# Altium PCB MJVESC_MINI.PcbDoc (part 1 of 3) (continued)
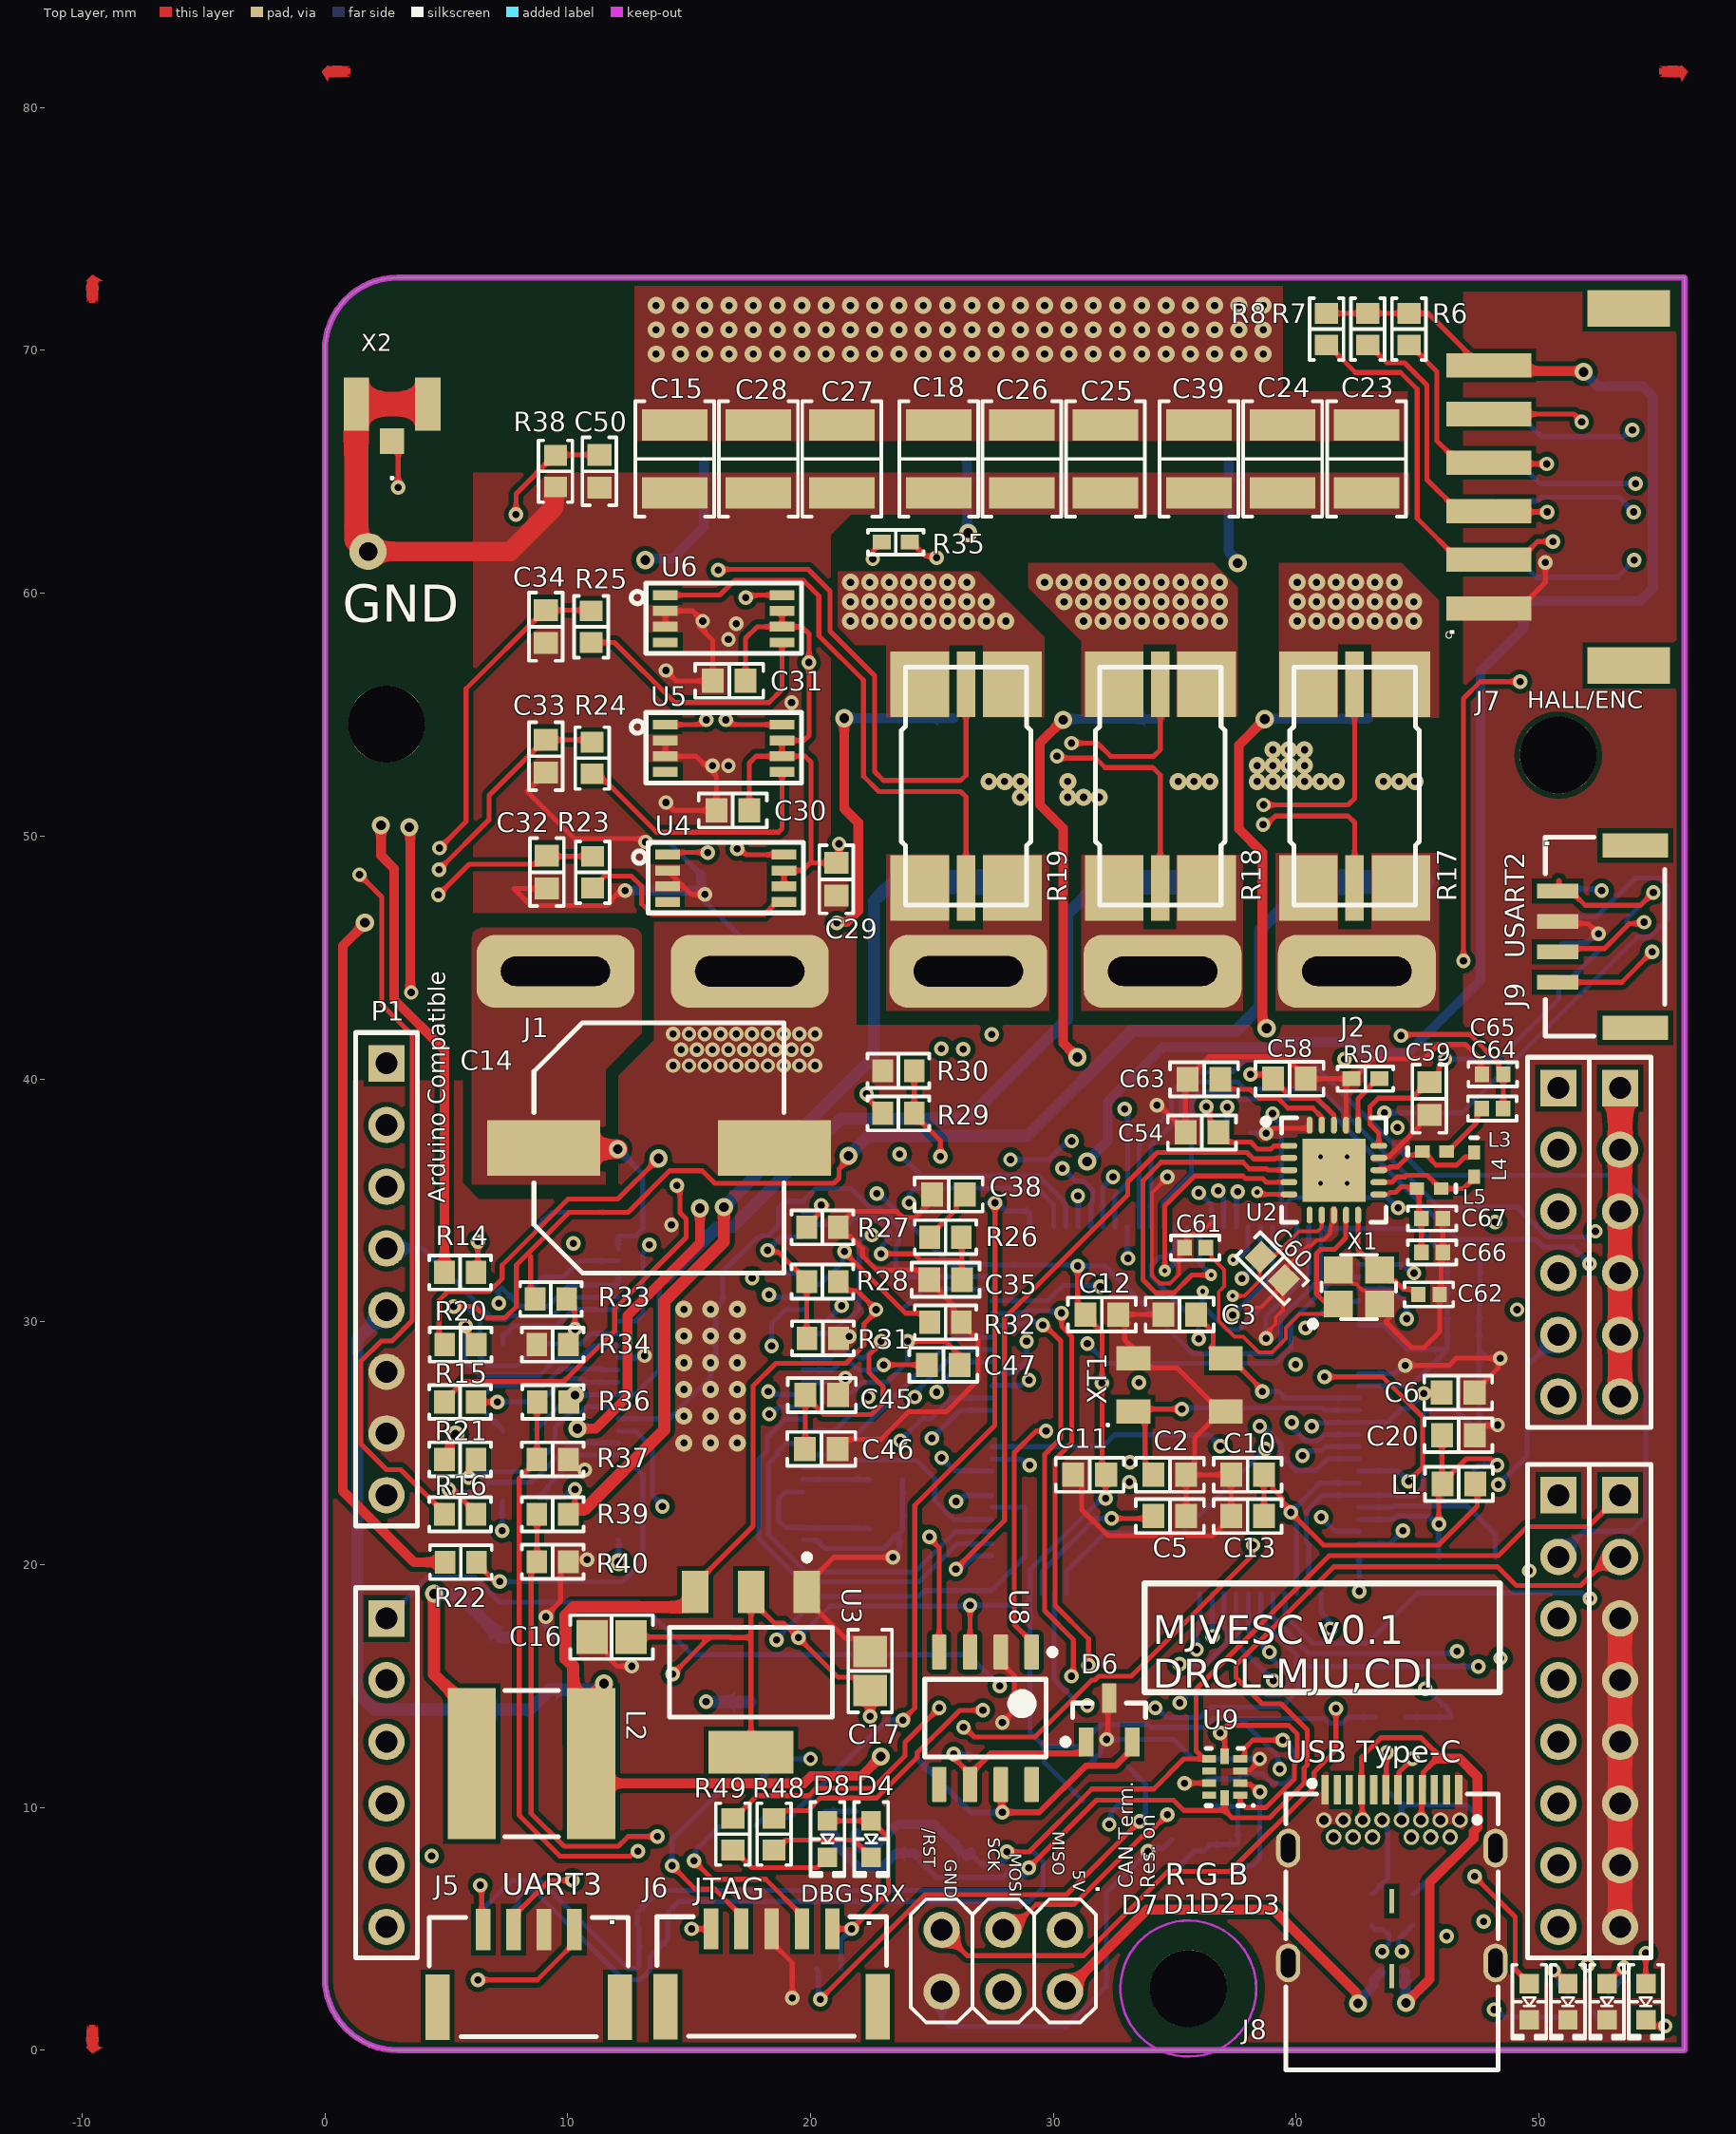
[diagram p0: Top Layer view]
## Footprints (in the part's own frame and the unit in brackets; to place one, negate y for a bottom-side part, rotate by r counter-clockwise, add the part's x,y. Pads: shape width x height; smd on the part's side, far side on the other; paste and mask are expansions set on the pad) (continued)
  rect 1.1x0.85 smd: 7(-0.85,1.725) 8(-0.85,0.575) 9(-0.85,-0.575) 10(-0.85,-1.725) 11(1.95,-1.725) 12(1.95,-0.575) 13(1.95,0.575) 14(1.95,1.725)
  rect 0.7x1.3 smd: 15(-2.25,0)
  silkscreen extent -3.95,-3.49 3.95,3.49, body extent -4.55,-3.5 4.55,3.5, height 0.7
TSSOP50P810X120_HS-57N [mm]
  oval 1.4x0.3 smd: 1(-3.8,6.75) 2(-3.8,6.25) 3(-3.8,5.75) 4(-3.8,5.25) 5(-3.8,4.75) 6(-3.8,4.25) 7(-3.8,3.75) 8(-3.8,3.25) 9(-3.8,2.75) 10(-3.8,2.25) 11(-3.8,1.75) 12(-3.8,1.25) 13(-3.8,0.75) 14(-3.8,0.25) 15(-3.8,-0.25) 16(-3.8,-0.75) 17(-3.8,-1.25) 18(-3.8,-1.75) 19(-3.8,-2.25) 20(-3.8,-2.75) 21(-3.8,-3.25) 22(-3.8,-3.75) 23(-3.8,-4.25) 24(-3.8,-4.75) 25(-3.8,-5.25) 26(-3.8,-5.75) 27(-3.8,-6.25) 28(-3.8,-6.75) 29(3.8,-6.75) 30(3.8,-6.25) 31(3.8,-5.75) 32(3.8,-5.25) 33(3.8,-4.75) 34(3.8,-4.25) 35(3.8,-3.75) 36(3.8,-3.25) 37(3.8,-2.75) 38(3.8,-2.25) 39(3.8,-1.75) 40(3.8,-1.25) 41(3.8,-0.75) 42(3.8,-0.25) 43(3.8,0.25) 44(3.8,0.75) 45(3.8,1.25) 46(3.8,1.75) 47(3.8,2.25) 48(3.8,2.75) 49(3.8,3.25) 50(3.8,3.75) 51(3.8,4.25) 52(3.8,4.75) 53(3.8,5.25) 54(3.8,5.75) 55(3.8,6.25) 56(3.8,6.75)
  rect 3.61x6.35 smd: 57(0,0)
  silkscreen extent -3.93,-7.05 2.7,7.57, body extent -3.1,-7.05 3.1,7.05, height 1.2
uFL_SMT [mm]
  rect 1x1.05 smd: 1(0,-1.525)
  rect 1.05x2.2 smd: 2(-1.475,0) 2(1.475,0)
  silkscreen extent -0.05,-3.1 0.05,-3

## Part data
C1 C6 C7 C8 C9 C10 C11 C12 C13 C20 C22 C40: library part GRM188R71E104KA01D, "CAP CER 0.1UF 25V X7R 0603", Capacitance=0.10レF, Manufacturer="Murata Electronics North America", Operating Temperature="-55∑C ~ 125∑C", Package / Case="0603 (1608 Metric)", Ratings=-, Supplier Part Number 1=490-1524-1-ND, Temperature Coefficient=X7R, Tolerance=【10%, Voltage - Rated=25V, Applications="General Purpose", Category=Capacitors, ComponentLink1Description=http://www.murata.com/~/media/webrenewal/support/library/catalog/products/capacitor/mlcc/c02e.pdf, ComponentLink1URL=http://www.murata.com/~/media/webrenewal/support/library/catalog/products/capacitor/mlcc/c02e.pdf, Features=-, Height - Seated (Max)=-, Lead Spacing=-, Lead Style=-, Manufacturer Part Number=GRM188R71E104KA01D, Mounting Type="Surface Mount, MLCC", Packaging="Cut Tape (CT)", Partnumber=GRM188R71E104KA01D, Pricing 1="1=0.1, 10=0.019, 50=0.0104, 100=0.0088, 250=0.0072, 500=0.00616, 1000=0.0048 (USD)", RoHS="RoHS Compliant", Size / Dimension="0.063\" L x 0.031\" W (1.60mm x 0.80mm)", Stock 1=1667481, Supplier 1=Digi-Key, Thickness (Max)="0.035\" (0.90mm)"
C2 C3: library part GRM1885C1H100JA01D, "CAP CER 10PF 50V NP0 0603", Manufacturer="Murata Electronics North America", Operating Temperature="-55∑C ~ 125∑C", Package / Case="0603 (1608 Metric)", Ratings=-, Supplier Part Number 1=490-1403-1-ND, Temperature Coefficient="C0G, NP0", Tolerance=【5%, Voltage - Rated=50V, Applications="General Purpose", Capacitance=10pF, Category=Capacitors, ComponentLink1Description=http://www.murata.com/~/media/webrenewal/support/library/catalog/products/capacitor/mlcc/c02e.pdf, ComponentLink1URL=http://www.murata.com/~/media/webrenewal/support/library/catalog/products/capacitor/mlcc/c02e.pdf, Features=-, Height - Seated (Max)=-, Lead Spacing=-, Lead Style=-, Manufacturer Part Number=GRM1885C1H100JA01D, Mounting Type="Surface Mount, MLCC", Packaging="Cut Tape (CT)", Partnumber=GRM1885C1H100JA01D, Pricing 1="1=0.1, 10=0.041, 50=0.0222, 100=0.0187, 250=0.01532, 500=0.0131, 1000=0.0102 (USD)", RoHS="RoHS Compliant", Size / Dimension="0.063\" L x 0.031\" W (1.60mm x 0.80mm)", Stock 1=450321, Supplier 1=Digi-Key, Thickness (Max)="0.035\" (0.90mm)"
C4 C5 C29 C30 C31 C42 C45 C46 C49 C50 C51 C56: library part GRM188R61C225KE15D, "CAP CER 2.2UF 16V X5R 0603", Capacitance=2.2レF, Manufacturer="Murata Electronics North America", Operating Temperature="-55∑C ~ 85∑C", Package / Case="0603 (1608 Metric)", Ratings=-, Supplier Part Number 1=490-3296-1-ND, Temperature Coefficient=X5R, Tolerance=【10%, Voltage - Rated=16V, Applications="General Purpose", Category=Capacitors, ComponentLink1Description=http://www.murata.com/~/media/webrenewal/support/library/catalog/products/capacitor/mlcc/c02e.pdf, ComponentLink1URL=http://www.murata.com/~/media/webrenewal/support/library/catalog/products/capacitor/mlcc/c02e.pdf, Features=-, Height - Seated (Max)=-, Lead Spacing=-, Lead Style=-, Manufacturer Part Number=GRM188R61C225KE15D, Mounting Type="Surface Mount, MLCC", Packaging="Cut Tape (CT)", Partnumber=GRM188R61C225KE15D, Pricing 1="1=0.12, 10=0.08, 50=0.046, 100=0.038, 250=0.032, 500=0.0268, 1000=0.022 (USD)", RoHS="RoHS Compliant", Size / Dimension="0.063\" L x 0.031\" W (1.60mm x 0.80mm)", Stock 1=1255740, Supplier 1=Digi-Key, Thickness (Max)="0.035\" (0.90mm)"
C14: library part EEE1CA471P, "CAP, ALU ELEC, 100UF, 63V, SMD", Partnumber=EEE-FK1J101P
C15 C18 C23 C24 C25 C26 C27 C28 C37 C39 C52: library part GRM219R6YA475KA73D, "CAP CER 4.7UF 100V", Partnumber=GRJ32DC72A475KE11L
C16 C17: library part GRM219R6YA475KA73D, "CAP CER 4.7UF 35V X5R 0805", Partnumber=GRM219R6YA475KA73D
C19 C21: library part CMP-1661-00003-1, "Standard Tantalum, 1 uF, +/- 10%, 35 V, -55 to 125 degC, 2-Pin SMD (1206), RoHS, Tape and Reel", Current Rating="200 mA", Max Operating Temperature="70 degC", Min Operating Temperature="-20 degC", Package Quantity=1000, Partnumber=TAJA105K016RNJ, Voltage Rating (DC)="30 V", ComponentLink1Description="Manufacturer URL", ComponentLink1URL=http://www.avx.com/, ComponentLink2Description=Datasheet, ComponentLink2URL=http://datasheets.avx.com/TAJ.pdf, ComponentLink3Description="Package Specification", ComponentLink3URL=http://www.avx.com/download/software/literature/AVX-Footprint-Library.pdf, Contact Finish=Silver, Contact Material=Copper, Contact Plating=Silver, DatasheetVersion=Feb-16, Height="7.4 mm", Length="11.6 mm", Mount="Through Hole", PackageDescription="2-Pin Surface Mount Device, Body 3.2 x 1.65 mm", PackageReference=CAPMP3217X18-T, Packaging=Bulk, Pins=3, REACH SVHC="No SVHC", RoHSCompliant=true, Width="4 mm"
C32 C33 C34 C55: library part GRM1885C1H222JA01D, "CAP CER 4.7nF 50V NP0 0603", Partnumber=GRM1887U1H472JA01D
C35: library part GRM1885C2A820JA01D, "CAP CER 120PF 100V NP0 0603", Partnumber=GRM1885C2A121JA01D
C36: library part GRM1885C1H271JA01D, "CAP CER 15nF 50V NP0 0603", Partnumber=GRM0335C1H150GA01D
C38: library part GRM1885C1H271JA01D, "CAP CER 6.8nF 50V NP0 0603", Partnumber=GRM1885C1H682JA01D
C41: library part CMP-2100-03691-1, "Standard Tantalum, 100 uF, +/- 10%, 16 V, -55 to 125 degC, 2-Pin SMD (2312), RoHS, Tape and Reel", Capacitance=100uF, Case/Package=Molded, Case Code (Imperial)=2412, Case Code (Metric)=6032, ESR (Equivalent Series Resistance)=1Ohm, Leakage Current=16uA, Manufacturer=AVX, Max Operating Temperature=125degC, Min Operating Temperature=-55degC, Package Description="2-Pin Surface Mount Device, Body 6 x 3.25 mm", Package Quantity=1, Package Reference=TAJ-C-2, Tolerance=10%, Voltage Rating=16V, Datasheet URL=http://datasheets.avx.com/TAJ.pdf, Datasheet Version=42401.0, Depth=3.2mm, Dissipation Factor=8%, Height=2.8mm, Height - Seated (Max)=0.11inch, Lead Free=LeadFree, Length=6mm, Manufacturer URL=http://www.avx.com/, Number of Pins=2, Packaging=TapeandReel, Partnumber=TAJC107K016RNJ, Polarity=Polar, Radiation Hardening=No, REACH SVHC=NoSVHC, Resistance=1Ohm, RoHSCompliant=True, Termination=SMD/SMT, Voltage Rating (DC)=16V, Width=3.2mm
C43 C44 C48: library part GRM188R71E104KA01D, "CAP CER 220nF 50V X7R 0603", Partnumber=GRM188R71H224KAC4J
C47: library part GRM188R71E223KA01D, "CAP CER 0.022UF 25V X7R 0603", Capacitance=0.022レF, Manufacturer="Murata Electronics North America", Operating Temperature="-55∑C ~ 125∑C", Package / Case="0603 (1608 Metric)", Ratings=-, Supplier Part Number 1=490-9761-1-ND, Temperature Coefficient=X7R, Tolerance=【10%, Voltage - Rated=25V, Applications="General Purpose", Category=Capacitors, ComponentLink1Description=http://www.murata.com/~/media/webrenewal/support/library/catalog/products/capacitor/mlcc/c02e.pdf, ComponentLink1URL=http://www.murata.com/~/media/webrenewal/support/library/catalog/products/capacitor/mlcc/c02e.pdf, Features=-, Height - Seated (Max)=-, Lead Spacing=-, Lead Style=-, Manufacturer Part Number=GRM188R71E223KA01D, Mounting Type="Surface Mount, MLCC", Packaging="Cut Tape (CT)", Partnumber=GRM188R71E223KA01D, Pricing 1="1=0.1, 10=0.061, 50=0.0332, 100=0.0281, 250=0.02296, 500=0.01964, 1000=0.0153 (USD)", RoHS="RoHS Compliant", Size / Dimension="0.063\" L x 0.031\" W (1.60mm x 0.80mm)", Stock 1=26666, Supplier 1=Digi-Key, Thickness (Max)="0.035\" (0.90mm)"
C53 C57: library part GRM1885C1H222JA01D, "CAP CER 100pF 50V NP0 0402", Partnumber=GRM1555C1H101GA01D
C54 C58 C59 C60 C63: library part GRM188R71E104KA01D, "CAP CER 0.1UF 25V X7R 0603", Partnumber=GRM188R71E104KA01D
C61 C62: library part CAP, "CAP CER 15PF 50V NP0 0402", Partnumber=GRM1555C1H150GA01D
C64: library part CAP, "CAP CER 1.5pF 50V NP0 0402", Partnumber=GRM1555C1H1R5CA01D
C65: library part CAP, "CAP CER 1.0pF 50V NP0 0402", Partnumber=GRM1555C1H1R0CA01D
C66: library part CAP, "CAP CER 2.2nF 50V NP0 0402", Partnumber=GRM155R71H222KA01D
C67: library part CAP, "CAP CER 4.7pF 50V NP0 0402", Partnumber=GRM1555C1H4R7CA01D
D1 D7: library part LED0, "Typical INFRARED GaAs LED", Partnumber=LTST-C191KRKT, LatestRevisionDate=08-Jul-2005, LatestRevisionNote="Mech Layer 1 removed.", PackageDescription="LED; 2 Leads", PackageReference=LED-0, Published=8-Jun-2000, Publisher="Altium Limited"
D2 D8: library part LED0, "Typical INFRARED GaAs LED", Partnumber=LTST-C191KGKT, LatestRevisionDate=08-Jul-2005, LatestRevisionNote="Mech Layer 1 removed.", PackageDescription="LED; 2 Leads", PackageReference=LED-0, Published=8-Jun-2000, Publisher="Altium Limited"
D3 D4: library part LED0, "Typical INFRARED GaAs LED", Partnumber=LTST-C191TBKT, LatestRevisionDate=08-Jul-2005, LatestRevisionNote="Mech Layer 1 removed.", PackageDescription="LED; 2 Leads", PackageReference=LED-0, Published=8-Jun-2000, Publisher="Altium Limited"
D5: library part MBR140SFT1G, "Rectifier Diode, Single, 40 V, 1 A, SOD-123FL, 2, 550 mV", Partnumber=MBR140SFT1G
D6: library part ESD8V0L2B-03L, "Bi-directional Low Capacitance TVS Diode, -55 to 125 degC, TSLP-3-1, Reel, Green", Partnumber=VCAN26A2-03S-E3-08
GND: "SMD test pin"
J1: library part "ANDERSON PP15/45 POWER 2 Pin Parallel_MIRROR", "Header, 2-Pin, ANDERSON PP15/45 POWER Parallel", LatestRevisionDate=17-Jul-2002, LatestRevisionNote="Re-released for DXP Platform.", Publisher="Altium Limited"
J2: library part "3 Pin", "Anderson PP15/45", Partnumber="1336G1, 1336G1, 1336G1, 1327G16 (Yellow), 1327G8 (Blue), 1327G5 (Green)"
J3 J4: library part MHDR1X2, "JST GH Connector, 2Pin", Partnumber=SM02B-GHS-TB(LF)(SN), LatestRevisionDate=17-Jul-2002, LatestRevisionNote="Re-released for DXP Platform.", Publisher="Altium Limited"
J5 J9 J10: library part MHDR1X4, "JST GH Connector, 4Pin", Partnumber=SM04B-GHS-TB(LF)(SN), LatestRevisionDate=17-Jul-2002, LatestRevisionNote="Re-released for DXP Platform.", Publisher="Altium Limited"
J6: library part "JST GH 5pin", "JST GH Connector, 5Pin", Partnumber=SM05B-GHS-TB(LF)(SN), LatestRevisionDate=17-Jul-2002, LatestRevisionNote="Re-released for DXP Platform.", Publisher="Altium Limited"
J7 J11: library part S6B-PH-SM4-TB, "JST PH Connector, 6Pin", Package=None, Availability=Unavailable, MF=JST, MP=S6B-PH-SM4-TB, Partnumber=S6B-PH-SM4-TB, Price="0.35 USD"
J8: library part 632723300011, "USB 3.1 Type C Receptacle Horizontal THR WR-COM", ComponentLink1Description=Manufacturer, ComponentLink1URL=http://www.we-online.de, ComponentLink2Description=Datasheet, ComponentLink2URL=http://katalog.we-online.de/em/datasheet/632723x00011.pdf, Construction=THR, Gender=Receptacle, Interface Type="Type C", Partnumber=632723300011, Published Date="April 2017", Publisher="Wurth Elektronik", Sub-Family="USB 3.1", Type=Horizontal
L1: library part Inductor, "Ferrite Beads 600MHz 0.015Ohm 25% 1608 AEC-Q200", Partnumber=KPZ1608SHR601ATD25, Code_IEC=1005, Code_JEITA=0402, LatestRevisionDate=29-May-2009, LatestRevisionNote="IPC-7351 Footprint Added.", PackageDescription="Chip Inductor", PackageReference=0402-A, Published=8-Jun-2000, Publisher="Altium Limited"
L2: library part NR6028T220M, "INDUCTOR 22UH 1.4A 175.5 MOHM", Partnumber=NR6028T220M
L3: library part Inductor, "Fixed Inductors 0402 3.9nH 0.2nH 750mA .14ohms 6.0GHz", Partnumber=LQG15HS3N9C02D
L4: library part Inductor, "Fixed Inductors 0402 8.2nH 0.24ohms 550mA +/-5%", Partnumber=LQG15HZ8N2J02D
L5: library part Inductor, "Fixed Inductors 0402 2.7nH 0.12ohms 800mA +/-0.3nH", Partnumber=LQG15HZ2N7S02D
P1: "Arduino Type Extension Connector / ICSP Added Samtec 3fixhole for v0.3"
Q1 Q2 Q3 Q4 Q5 Q6: library part NTMFS4935NT1G, "MOSFET N-CH 60V 375A  DirectFET-L8", PackageDescription=DirectFet-L8, Partnumber=AUIRF7749L2TR
R1 R2: library part Res3, "RES SMD 220R OHM 1% 1/10W 0603", Partnumber=RC0603FR-10220RL, LatestRevisionDate=29-May-2009, LatestRevisionNote="IPC-7351 Footprint Added.", PackageDescription="Chip Resistor", PackageReference=J1-0603, Published=8-Jun-2000, Publisher="Altium Limited"
R3 R32 R38: library part RC0603FR-0710KL, "RES SMD 10K OHM 1% 1/10W 0603", Manufacturer=Yageo, Operating Temperature="-55∑C ~ 155∑C", Package / Case="0603 (1608 Metric)", Power (Watts)="0.1W, 1/10W", Resistance (Ohms)=10k, Supplier Device Package=0603, Supplier Part Number 1=311-10.0KHRCT-ND, Temperature Coefficient=【100ppm/∑C, Tolerance=【1%, Category=Resistors, ComponentLink1Description=http://www.yageo.com/documents/recent/PYu-RC_Group_51_RoHS_L_04.pdf, ComponentLink1URL=http://www.yageo.com/documents/recent/PYu-RC_Group_51_RoHS_L_04.pdf, Composition="Thick Film", Features="Moisture Resistant", Height="0.022\" (0.55mm)", Manufacturer Part Number=RC0603FR-0710KL, Number of Terminations=2, Packaging="Cut Tape (CT)", Partnumber=RC0603FR-0710KL, Pricing 1="1=0.1, 10=0.014, 25=0.01, 100=0.0057, 250=0.00436, 500=0.00348, 1000=0.00257, 2500=0.00223 (USD)", RoHS="RoHS Compliant", Size / Dimension="0.063\" L x 0.031\" W (1.60mm x 0.80mm)", Stock 1=13504930, Supplier 1=Digi-Key
R4 R5 R10 R11: library part RC0603FR-0722RL, "RES SMD 22 OHM 1% 1/10W 0603", Manufacturer=Yageo, Operating Temperature="-55∑C ~ 155∑C", Package / Case="0603 (1608 Metric)", Power (Watts)="0.1W, 1/10W", Resistance (Ohms)=22, Supplier Device Package=0603, Supplier Part Number 1=311-22.0HRCT-ND, Temperature Coefficient=【100ppm/∑C, Tolerance=【1%, Category=Resistors, ComponentLink1Description=http://www.yageo.com/documents/recent/PYu-RC_Group_51_RoHS_L_04.pdf, ComponentLink1URL=http://www.yageo.com/documents/recent/PYu-RC_Group_51_RoHS_L_04.pdf, Composition="Thick Film", Features="Moisture Resistant", Height="0.022\" (0.55mm)", Manufacturer Part Number=RC0603FR-0722RL, Number of Terminations=2, Packaging="Cut Tape (CT)", Partnumber=RC0603FR-0722RL, Pricing 1="1=0.1, 10=0.014, 25=0.01, 100=0.0057, 250=0.00436, 500=0.00348, 1000=0.00257, 2500=0.00223 (USD)", RoHS="RoHS Compliant", Size / Dimension="0.063\" L x 0.031\" W (1.60mm x 0.80mm)", Stock 1=575303, Supplier 1=Digi-Key
R6 R7 R8 R30 R34 R37 R40: library part Res3, "RES SMD 2.2K OHM 1% 1/10W 0603", Partnumber=RC0603FR-072K2L, LatestRevisionDate=29-May-2009, LatestRevisionNote="IPC-7351 Footprint Added.", PackageDescription="Chip Resistor", PackageReference=J1-0603, Published=8-Jun-2000, Publisher="Altium Limited"
R9: library part RC0603FR-0747KL, "RES SMD 47K OHM 1% 1/10W 0603", Manufacturer=Yageo, Operating Temperature="-55∑C ~ 155∑C", Package / Case="0603 (1608 Metric)", Power (Watts)="0.1W, 1/10W", Resistance (Ohms)=47k, Supplier Device Package=0603, Supplier Part Number 1=311-47.0KHRCT-ND, Temperature Coefficient=【100ppm/∑C, Tolerance=【1%, Category=Resistors, ComponentLink1Description=http://www.yageo.com/documents/recent/PYu-RC_Group_51_RoHS_L_04.pdf, ComponentLink1URL=http://www.yageo.com/documents/recent/PYu-RC_Group_51_RoHS_L_04.pdf, Composition="Thick Film", Features="Moisture Resistant", Height="0.022\" (0.55mm)", Manufacturer Part Number=RC0603FR-0747KL, Number of Terminations=2, Packaging="Cut Tape (CT)", Partnumber=RC0603FR-0747KL, Pricing 1="1=0.1, 10=0.014, 25=0.01, 100=0.0057, 250=0.00436, 500=0.00348, 1000=0.00257, 2500=0.00223 (USD)", RoHS="RoHS Compliant", Size / Dimension="0.063\" L x 0.031\" W (1.60mm x 0.80mm)", Stock 1=930868, Supplier 1=Digi-Key
R12 R43 R48 R49: library part RC0603FR-071KL, "RES SMD 1K OHM 1% 1/10W 0603", Manufacturer=Yageo, Operating Temperature="-55∑C ~ 155∑C", Package / Case="0603 (1608 Metric)", Power (Watts)="0.1W, 1/10W", Supplier Device Package=0603, Supplier Part Number 1=311-1.00KHRCT-ND, Temperature Coefficient=【100ppm/∑C, Tolerance=【1%, Category=Resistors, ComponentLink1Description=http://www.yageo.com/documents/recent/PYu-RC_Group_51_RoHS_L_04.pdf, ComponentLink1URL=http://www.yageo.com/documents/recent/PYu-RC_Group_51_RoHS_L_04.pdf, Composition="Thick Film", Features="Moisture Resistant", Height="0.022\" (0.55mm)", Manufacturer Part Number=RC0603FR-071KL, Number of Terminations=2, Packaging="Cut Tape (CT)", Partnumber=RC0603FR-071KL, Pricing 1="1=0.1, 10=0.014, 25=0.01, 100=0.0057, 250=0.00436, 500=0.00348, 1000=0.00257, 2500=0.00223 (USD)", Resistance (Ohms)=1k, RoHS="RoHS Compliant", Size / Dimension="0.063\" L x 0.031\" W (1.60mm x 0.80mm)", Stock 1=6734836, Supplier 1=Digi-Key
R13: library part Res3, "RES SMD 47R OHM 1% 1/10W 0603", Partnumber=RC0603JR-0747RL, LatestRevisionDate=29-May-2009, LatestRevisionNote="IPC-7351 Footprint Added.", PackageDescription="Chip Resistor", PackageReference=J1-0603, Published=8-Jun-2000, Publisher="Altium Limited"
R14 R15 R16 R20 R21 R22: library part RC0603FR-072R2L, "RES SMD 4.7R OHM 1% 1/10W 0603", Partnumber=RC0603FR-074R7L
R17 R18 R19: library part LRMAP3920B, "Shunt Resistor", Partnumber=LRMAP3920B-R0005FT
R23 R24 R25: library part RC0603FR-07120RL, "RES SMD 100R OHM 1% 1/10W 0603", Partnumber=RC0603JR-07100RL
R26: library part Res3, "RES SMD 15K OHM 1% 1/10W 0603", Partnumber=RC0603FR-0715KL, LatestRevisionDate=29-May-2009, LatestRevisionNote="IPC-7351 Footprint Added.", PackageDescription="Chip Resistor", PackageReference=J1-0603, Published=8-Jun-2000, Publisher="Altium Limited"
R27: library part RC0603FR-07220KL, "RES SMD 220K OHM 1% 1/10W 0603", Manufacturer=Yageo, Operating Temperature="-55∑C ~ 155∑C", Package / Case="0603 (1608 Metric)", Power (Watts)="0.1W, 1/10W", Supplier Device Package=0603, Supplier Part Number 1=311-220KHRCT-ND, Temperature Coefficient=【100ppm/∑C, Tolerance=【1%, Category=Resistors, ComponentLink1Description=http://www.yageo.com/documents/recent/PYu-RC_Group_51_RoHS_L_04.pdf, ComponentLink1URL=http://www.yageo.com/documents/recent/PYu-RC_Group_51_RoHS_L_04.pdf, Composition="Thick Film", Features="Moisture Resistant", Height="0.022\" (0.55mm)", Manufacturer Part Number=RC0603FR-07220KL, Number of Terminations=2, Packaging="Cut Tape (CT)", Partnumber=RC0603FR-07220KL, Pricing 1="1=0.1, 10=0.014, 25=0.01, 100=0.0057, 250=0.00436, 500=0.00348, 1000=0.00257, 2500=0.00223 (USD)", Resistance (Ohms)=220k, RoHS="RoHS Compliant", Size / Dimension="0.063\" L x 0.031\" W (1.60mm x 0.80mm)", Stock 1=204390, Supplier 1=Digi-Key
R28: library part RC0603FR-0718KL, "RES SMD 18K OHM 1% 1/10W 0603", Manufacturer=Yageo, Operating Temperature="-55∑C ~ 155∑C", Package / Case="0603 (1608 Metric)", Power (Watts)="0.1W, 1/10W", Supplier Device Package=0603, Supplier Part Number 1=311-18.0KHRCT-ND, Temperature Coefficient=【100ppm/∑C, Tolerance=【1%, Category=Resistors, ComponentLink1Description=http://www.yageo.com/documents/recent/PYu-RC_Group_51_RoHS_L_04.pdf, ComponentLink1URL=http://www.yageo.com/documents/recent/PYu-RC_Group_51_RoHS_L_04.pdf, Composition="Thick Film", Features="Moisture Resistant", Height="0.022\" (0.55mm)", Manufacturer Part Number=RC0603FR-0718KL, Number of Terminations=2, Packaging="Cut Tape (CT)", Partnumber=RC0603FR-0718KL, Pricing 1="1=0.1, 10=0.014, 25=0.01, 100=0.0057, 250=0.00436, 500=0.00348, 1000=0.00257, 2500=0.00223 (USD)", Resistance (Ohms)=18k, RoHS="RoHS Compliant", Size / Dimension="0.063\" L x 0.031\" W (1.60mm x 0.80mm)", Stock 1=0, Supplier 1=Digi-Key
R29 R33 R36 R39: library part Res3, "RES SMD 39K OHM 1% 1/10W 0603", Partnumber=RC0603FR-0739KL, LatestRevisionDate=29-May-2009, LatestRevisionNote="IPC-7351 Footprint Added.", PackageDescription="Chip Resistor", PackageReference=J1-0603, Published=8-Jun-2000, Publisher="Altium Limited"
R31: library part RC0603FR-073K3L, "RES SMD 3.3K OHM 1% 1/10W 0603", Manufacturer=Yageo, Operating Temperature="-55∑C ~ 155∑C", Package / Case="0603 (1608 Metric)", Power (Watts)="0.1W, 1/10W", Supplier Device Package=0603, Supplier Part Number 1=311-3.30KHRCT-ND, Temperature Coefficient=【100ppm/∑C, Tolerance=【1%, Category=Resistors, ComponentLink1Description=http://www.yageo.com/documents/recent/PYu-RC_Group_51_RoHS_L_04.pdf, ComponentLink1URL=http://www.yageo.com/documents/recent/PYu-RC_Group_51_RoHS_L_04.pdf, Composition="Thick Film", Features="Moisture Resistant", Height="0.022\" (0.55mm)", Manufacturer Part Number=RC0603FR-073K3L, Number of Terminations=2, Packaging="Cut Tape (CT)", Partnumber=RC0603FR-073K3L, Pricing 1="1=0.1, 10=0.014, 25=0.01, 100=0.0057, 250=0.00436, 500=0.00348, 1000=0.00257, 2500=0.00223 (USD)", Resistance (Ohms)=3.3k, RoHS="RoHS Compliant", Size / Dimension="0.063\" L x 0.031\" W (1.60mm x 0.80mm)", Stock 1=420019, Supplier 1=Digi-Key
R35: library part NCP15XH103F03RC, "THERMISTOR 10K OHM NTC 0402 SMD", Partnumber=NCP15XH103F03RC
R41 R42 R44 R45: library part Res3, "RES SMD 120R OHM 1% 1/10W 0603", Partnumber=RC0603FR-07120RL, LatestRevisionDate=29-May-2009, LatestRevisionNote="IPC-7351 Footprint Added.", PackageDescription="Chip Resistor", PackageReference=J1-0603, Published=8-Jun-2000, Publisher="Altium Limited"
R50: library part RES2, "RES SMD 22K OHM 1% 1/10W 0402", Partnumber=RC0402FR-0722KL
S2 S3: library part SW-SPDT, "SPDT Subminiature Toggle Switch, Right Angle Mounting, Vertical Actuation", ComponentLink1Description="Manufacturer Link", ComponentLink1URL=http://www.apem.com, DatasheetVersion=05-Dec-2000, LatestRevisionDate=17-Dec-2003, LatestRevisionNote="Schematic revised, PCB Footprint replaced.", PackageDescription="Switch; 4 Leads", PackageReference=TL36WW15050, Partnumber=SSAJ120100, Published=24-Mar-1999, Publisher="Altium Limited"
T1: library part "MID-D11, 070-5627", "Dual Coil - Common Mode Choke, 4-Terminal, THT, MID-D11, Bobbin-070-5627", Partnumber=SRF4532-101Y
U1: "ARM Cortex-M4 32-bit MCU+FPU, 210 DMIPS, 1024 kB Flash, 192 kB Internal RAM, 82 I/Os, 100-pin LQFP, -40 to 85 degC, Tray", I/Os (High Current)=82, Manufacturer=STMicroelectronics, Operating Frequency(F) (Processor speed) (MHz)=168, Supplier Part Number 1=497-11605-ND, Supply Voltage(Vcc) max (V)=3.6, Supply Voltage(Vcc) min (V)=1.8, ComponentLink1Description="Manufacturer URL", ComponentLink1URL=http://www.st.com/web/en/home.html, ComponentLink2Description=Datasheet, ComponentLink2URL=http://www.st.com/st-web-ui/static/active/en/resource/technical/document/datasheet/DM00037051.pdf, ComponentLink3Description="Package Specification", ComponentLink3URL=http://www.st.com/st-web-ui/static/active/en/resource/technical/document/data_brief/DM00071938.pdf, Core="ARM Cortex-M4", D/A Converter=2x12-bit, DatasheetVersion="Rev. 4", FLASH Size (Prog) (kB)=1024, Internal RAM Size (kB)=192, Mounting Technology="Surface Mount", PackageDescription="100-Pin Low Profile Quad Flat Package, 14 x 14 mm Body, 0.5 mm Pitch", PackageReference=LQFP100, PackageVersion="Rev. 1, 06/2013", Packing=Tray, Partnumber=STM32F407VGT6, Supplier 1=Digi-Key, Supplier 2=Farnell, Supplier 3=Newark, Supplier 4=Mouser, Supplier Part Number 2=2064368, Supplier Part Number 3=73T2333, Supplier Part Number 4=511-STM32F407VGT6
U2: library part CMP-2000-06859-1, "Single Chip Transceiver, 2.4 GHz, 60 mW, 1.9 to 3.6 V, -40 to 85 degC, 20-Pin QFN, RoHS, Tray", Current - Receiving=12.6mA~13.5mA, Current - Transmitting=7mA~11.3mA, Frequency=2.4GHz, Manufacturer="Nordic Semiconductor", Operating Temperature=-40∑C~85∑C, Package / Case=20-VFQFNExposedPad, Package Description="20-Pin Quad Flat No-lead Package, Body 4 x 4 mm, Pitch 0.5 mm", Package Reference=QFN20, Power - Output=0dBm, Standard Package=490, Voltage - Supply=1.9V~3.6V, Category=RF/IFandRFID, Data Rate (Max)=2Mbps, Datasheet URL=http://www.nordicsemi.com/eng/content/download/2726/34069/file/nRF24L01P_Product_Specification_1_0.pdf, Datasheet Version="Rev. 1.0, 09/2008", Design Resources=DevelopmentToolSelector, Family=RFTransceiverICs, For Use With=1490-1002-ND-KITEVALUATIONNRF24L01P1568-1295-ND-SPARKFUNTRANSCEIVERBREAKOUT-1568-1296-ND-SPARKFUNTRANSCEIVERBREAKOUT-1471-1410-ND-DEVBOARDNRFSCLICKNRF24L01P-MODULE-PCB-ND-KITEVALNRF24L01+PCBANTENNANRF24L01P-MODULE-SMA-ND-KITEVALNRF24L01+SMACONNNRF24L01P-UPGRADE-ND-UPGRADE2PCB/1SMANRF24L01103990038-ND-DEVDUINOSENSORNODEV1.3103990053-ND-DEVDUINOSENSORNODEV2(ATMEGA103990074-ND-DEVDUINOSENSORNODE106990026-ND-ENERGYMONITORSHIELDV2113990088-ND-WIRELESSGATESHIELD113990095-ND-DEVDUINOSENSORNODEV3(ATMEGA106030001-ND-ENERGYMONITORSHIELD1597-1361-ND-DEVDUINOSENSORNODEV2.2(ATMEG105990030-ND-RGBWSTRIPWIRELESSSHIELDV1.0, GPIO=-, Manufacturer URL=http://www.nordicsemi.com/eng/Products/, Memory Size=-, Modulation=GFSK, Mounting Technology=SurfaceMount, Online Catalog=nRF24L01+, Other Names=1490-1019, Packaging=Tray, Partnumber=NRF24L01P-T, Protocol=-, RF Family/Standard=GeneralISM>1GHZ, Sensitivity=-94dBm, Serial Interfaces=SPI, Series=-, Type=TxRxOnly
U3: library part AZ1117EH-3.3TRG1, "IC REG LDO 3.3V 1A SOT223", Current - Limit (Min)=-, Current - Output=1A, Manufacturer="Diodes Incorporated", Operating Temperature="-40∑C ~ 125∑C", Package / Case="TO-261-4, TO-261AA", Supplier Device Package=SOT-223, Supplier Part Number 1=AZ1117EH-3.3TRG1DICT-ND, Voltage - Dropout (Typical)="1.1V @ 1A", Voltage - Input="Up to 13V", Category="Integrated Circuits (ICs)", ComponentLink1Description=http://www.diodes.com/assets/Datasheets/AZ1117E.pdf, ComponentLink1URL=http://www.diodes.com/assets/Datasheets/AZ1117E.pdf, Mounting Type="Surface Mount", Packaging="Cut Tape (CT)", Partnumber=AZ1117EH-3.3TRG1, Part Status=Active, Pricing 1="1=0.43, 10=0.321, 100=0.1815, 500=0.12022, 1000=0.09216 (USD)", Regulator Topology="Positive Fixed", RoHS="RoHS Compliant", Stock 1=22748, Supplier 1=Digi-Key, Voltage - Output=3.3V
U4 U5 U6: "ANALOG DEVICES Current Sense Amplifier, Bidirectional, 1, 130 レA, NSOIC", Partnumber=AD8418BRMZ
U7: "MOTOR DRIVER, 3PH, 56HTSSOP", Partnumber=DRV8301DCAR
U8: "3.3V CAN Transceiver, 5Mbps", Drivers Per Package=1, Manufacturer="Texas Instruments", Supply Voltage(s)(V)=3.3, ComponentLink1Description=Datasheet, ComponentLink1URL=http://www.ti.com/general/docs/lit/getliterature.tsp?genericPartNumber=SN65HVD233&fileType=pdf, Eco-Plan="Green (RoHS & no Sb/Br)", Mounting Technology="Surface Mount", PackageDescription="8-Pin Plastic Small Outline Integrated Circuit, 4.9 x 3.9 mm, Pitch 1.27 mm Pitch", PackageReference=D0008A, Partnumber=TCAN332GDR, SubFamily=CAN, Transient Pulse Protection(V)="-100 to 100"
U9: library part "TI TS5A23159", "1-ヘ 2-Channel SPDT Analog Switch", Partnumber=TS5A23159RSER
X1: library part XTAL_SMD2520_16MHz_8pF_NDK, "XTAL SMD 2520, 16MHz, Cl=8pF, Total Tol: 【40ppm", Manufacturer=NDK, Manufacturer Part Number=NX2520SA/16MHz/EXS00A-CS06713, Partnumber=NX2520SA-16MHZ-STD-CSW-5, Supplier part number=644-1169-1-ND, Artikkelnr Noca=22019192, Artikkelnr Simpro=N.A., Datasheet=http://www.ndk.com/images/products/catalog/c_NX2520SA-STD-CSW-5_e.pdf, Footprint Doc=XTAL_2520, LatestRevisionDate=2014-11-27, Note="XTAL SMD 16.000MHz", Pin Count=4, Published=2012-06-15, Publisher="Nordic Semiconductor", Supplier=Digi-Key
X2: library part "2 Pin", "50ohm U.FL Connector", Partnumber=U.FL-R-SMT(10)
XT1: library part ABM3B-8.000MHZ-10-1-U-T, "Crystal 8MHz 【10ppm 10pF 200 Ohm -10∑C ~ 60∑C Surface Mount 4-SMD, No Lead (DFN, LCC)", Partnumber=ABM3B-8.000MHZ-10-1UT

## Via types
v1: diameter 0.6, hole 0.3, Top Layer to Bottom Layer, tented both sides, 278 vias
v2: diameter 0.7, hole 0.3, Top Layer to Bottom Layer, tented both sides, 176 vias
v3: diameter 0.75, hole 0.4, Top Layer to Bottom Layer, tented both sides, 26 vias
v4: diameter 0.7, hole 0.3, Top Layer to Bottom Layer, tented top, 18 vias
v5: diameter 0.5, hole 0.2, Top Layer to Bottom Layer, tented both sides, 6 vias
v6: diameter 0.5, hole 0.2, Top Layer to Bottom Layer, 4 vias
v7: diameter 0.75, hole 0.35, Top Layer to Bottom Layer, tented both sides, 1 vias

## Nets (pads, with @x,y where several pads share a name; then routed paths per layer and width w, separated by ;. In a path a pad name is that pad's centre, name@x,y a point inside that pad or via, vN(x,y) a via of type N, cw(c..) or ccw(c..) an arc to the next point about the centre after c; other vN are vias at no path point)
5V: C41.1 C42.2 J7.6 J11.6 L2.2 P1.4 P1.51 R6.2 R7.2 R8.2 R28.1 S3.C U3.3 | length 189.7
  Top Layer w0.203: L2.2@10.969,11.988 L2.2@10.969,14.569 ; U3.3@15.251,18.87 15.251,19.195 17.639,21.583 17.639,27.359 18.571,28.29 21.46,28.29 22.204,29.035 22.204,29.907 22.7,30.403 v1(22.7,30.5) ; R28.1@21.143,31.605 21.466,31.282 21.918,31.282 v1@22.662,30.538 ; R8.2@41.25,71.526 R7.2@42.95,71.526 R6.2@44.65,71.526 45.441,71.526 47.588,69.379 J7.6@47.941,69.379
  Top Layer w0.4: L2.2@10.969,11.988 L2.2@10.969,11.811 10.969,11.782 11.759,10.992 19.724,10.992 20.029,11.297 22.097,11.297 v3(22.9,12.1) ; P1.51@30.48,2.413 33.86,5.793 39.054,5.793 42.483,2.364 42.483,1.992 v3(42.55,1.925) ; J7.6@47.941,69.379 48.168,69.152 51.803,69.152 v3(51.841,69.113)
  Top Layer w0.5: L2.2@10.229,12.551 10.229,15.809 9.908,16.13 9.908,17.906 10.248,18.245 14.951,18.245 15.251,18.545 U3.3@15.251,18.87 ; L2.2@10.969,14.569 v3(11.5,15.1)
  Mid Layer 1 w0.203: v1(22.7,30.5) 26.623,30.5 30.245,34.122 30.812,34.122 31.618,34.929 31.618,36.23 31.394,36.453 v3(31.394,36.601)
  Mid Layer 1 w0.4: v3(22.9,12.1) 24.497,10.503 28.191,10.503 31.633,7.061 31.633,3.566 P1.51@30.48,2.413
  Bottom Layer w0.203: P1.4@2.4,30.34 P1.4@2.54,30.48
  Bottom Layer w0.4: v3(31.394,36.601) 32.241,37.448 32.241,39.052 34.499,41.31 39.108,41.31 39.319,41.521 42.277,41.521 42.718,41.08 44.614,41.08 47.591,44.057 47.591,56.79 49.352,58.551 49.352,59.1 J11.6@49.052,59.4 ; v3(42.55,1.925) 42.55,2.02 43.183,2.652 43.183,2.893 43.475,3.185 S3.C@43.475,3.23 ; J11.6@47.9,59.4 J11.6@49.052,59.4 ; v3(51.841,69.113) 52.438,68.516 52.846,68.516 52.85,68.521 54.263,68.521 54.678,68.106 54.678,60.193 54.175,59.69 49.342,59.69 J11.6@49.052,59.4
  Bottom Layer w0.5: P1.4@2.4,30.34 1.337,29.277 1.337,14.742 2.042,14.037 8.338,14.037 8.4,13.975 9.275,14.85 11.182,14.85 11.432,15.1 v3(11.5,15.1) 11.5,15.032 11.597,14.935 11.597,11.075 11.797,10.875 C42.2@11.8,10.875
ADC_15: P1.8 U1.34 | length 40.2
  Mid Layer 2 w0.203: v1(27.8,15) 29.422,15 29.626,14.795 31.141,14.795 31.15,14.804 31.65,14.804 31.659,14.795 34.095,14.795 v1(35.2,15.9)
  Bottom Layer w0.203: P1.8@2.54,17.78 3.704,18.944 3.704,18.964 4.219,19.48 6.166,19.48 7.191,18.455 12.949,18.455 15.108,16.295 26.505,16.295 v1(27.8,15) ; v1(35.2,15.9) 35.204,15.895 36.258,15.895 37.155,16.793 37.155,17.294 37.028,17.421 U1.34@37.028,18.809
AN_IN: R29.1 R30.1 U1.18 | length 53
  Top Layer w0.203: R30.1@24.272,40.335 24.272,38.533 25.349,37.455 v1(25.349,36.805) ; v1(41.175,27.73) 43.553,27.73 45.207,26.077 45.207,24.006 v1(44.627,23.426)
  Mid Layer 1 w0.203: v1(25.349,36.805) 25.563,36.805 28.973,40.214 34.974,40.214 35.674,40.914 41.782,40.914 41.879,40.818 v1(41.986,40.818)
  Mid Layer 2 w0.203: v1(41.175,27.73) 44.252,30.807 44.252,33.491 45.517,34.756 45.517,39.354 46.731,40.567 46.731,41.068 46.377,41.422 45.876,41.422 45.272,40.818 v1(41.986,40.818)
  Bottom Layer w0.203: U1.18@42.578,23.859 44.194,23.859 v1(44.627,23.426)
CAN_N: C57.1 J3.2 J4.2 P1.34 T1.2 U9.6 | length 72.1
  Top Layer w0.203: v1(28.092,8.171) 28.999,8.171 31.589,10.761 34.135,10.761 35.374,12 U9.6@36.209,12 ; U9.6@36.42,12 U9.6@36.209,12 ; P1.34@53.34,22.86 52.039,21.559 49.517,21.559 48.326,20.367 41.366,20.367 35.879,14.88 35.879,12.33 U9.6@36.209,12
  Bottom Layer w0.203: J3.2@7.625,5.125 7.625,5.675 7.968,6.018 7.968,6.42 8.086,6.539 8.667,6.539 12.298,2.908 13.007,2.908 13.394,3.294 13.394,3.844 14.125,4.575 J4.2@14.125,5.125 14.125,5.675 14.576,6.126 29.002,6.126 29.586,6.71 29.586,7.769 29.183,8.171 v1(28.092,8.171) 28.092,7.941 27.808,7.657 27.018,7.657 T1.2@26.625,8.05
  Bottom Layer w0.381: C57.1@21.9,8.96 21.82,8.88 21.82,8.525 22.051,8.294 22.57,8.294 23.58,9.304 25.113,9.304 26.433,7.984 26.625,8.175 T1.2@26.625,8.05
CAN_P: C53.2 J3.1 J4.1 P1.35 T1.3 U9.10 | length 77.3
  Top Layer w0.203: v1(28.981,7.518) 28.993,7.518 31.779,10.305 34.95,10.305 35.374,9.881 37.06,9.881 ; U9.10@37.06,10.39 37.06,9.881 ; P1.35@53.34,20.32 52.901,20.32 51.721,19.14 49.07,19.14 48.3,19.91 41.556,19.91 37.521,15.876 37.521,15.345 38.596,14.27 39.381,14.27 40.457,13.195 40.457,11.747 40.33,11.62 40.33,11.001 39.171,9.842 39.171,9.838 38.913,9.581 37.359,9.581 37.06,9.881
  Bottom Layer w0.203: J3.1@6.375,5.125 6.375,5.675 7.696,6.996 8.856,6.996 12.487,3.365 12.818,3.365 12.937,3.483 12.937,5.063 J4.1@12.875,5.125 12.875,5.675 13.789,6.589 28.19,6.589 28.905,7.305 28.905,7.442 v1(28.981,7.518) 28.946,7.554 28.351,7.554 27.918,7.121 25.18,7.121 24.375,7.925 T1.3@24.375,8.05
  Bottom Layer w0.381: C53.2@20.6,8.96 20.672,8.888 20.916,8.888 21.067,8.738 21.067,8.452 22.027,7.492 22.903,7.492 23.527,8.116 24.309,8.116 T1.3@24.375,8.05
CAN_RX: U1.95 U8.4 | length 25.5
  Top Layer w0.203: v1(24.9,21.145) 24.9,21.09 25.3,20.69 U8.4@25.3,16.4
  Mid Layer 1 w0.203: v1(24.9,21.145) 24.9,22.355 28.65,26.104 29.834,26.104 31.4,27.67 31.4,27.733 31.756,28.089 32.073,28.089 34.682,30.698 36.385,30.698 36.814,31.127 36.814,31.273 37.242,31.702 37.691,31.702 v1(37.767,31.778)
  Bottom Layer w0.203: v1(37.767,31.778) 38.528,32.539 U1.95@38.528,33.909